# Altium PCB PDB_PCB.PcbDoc (part 1 of 3) (continued)
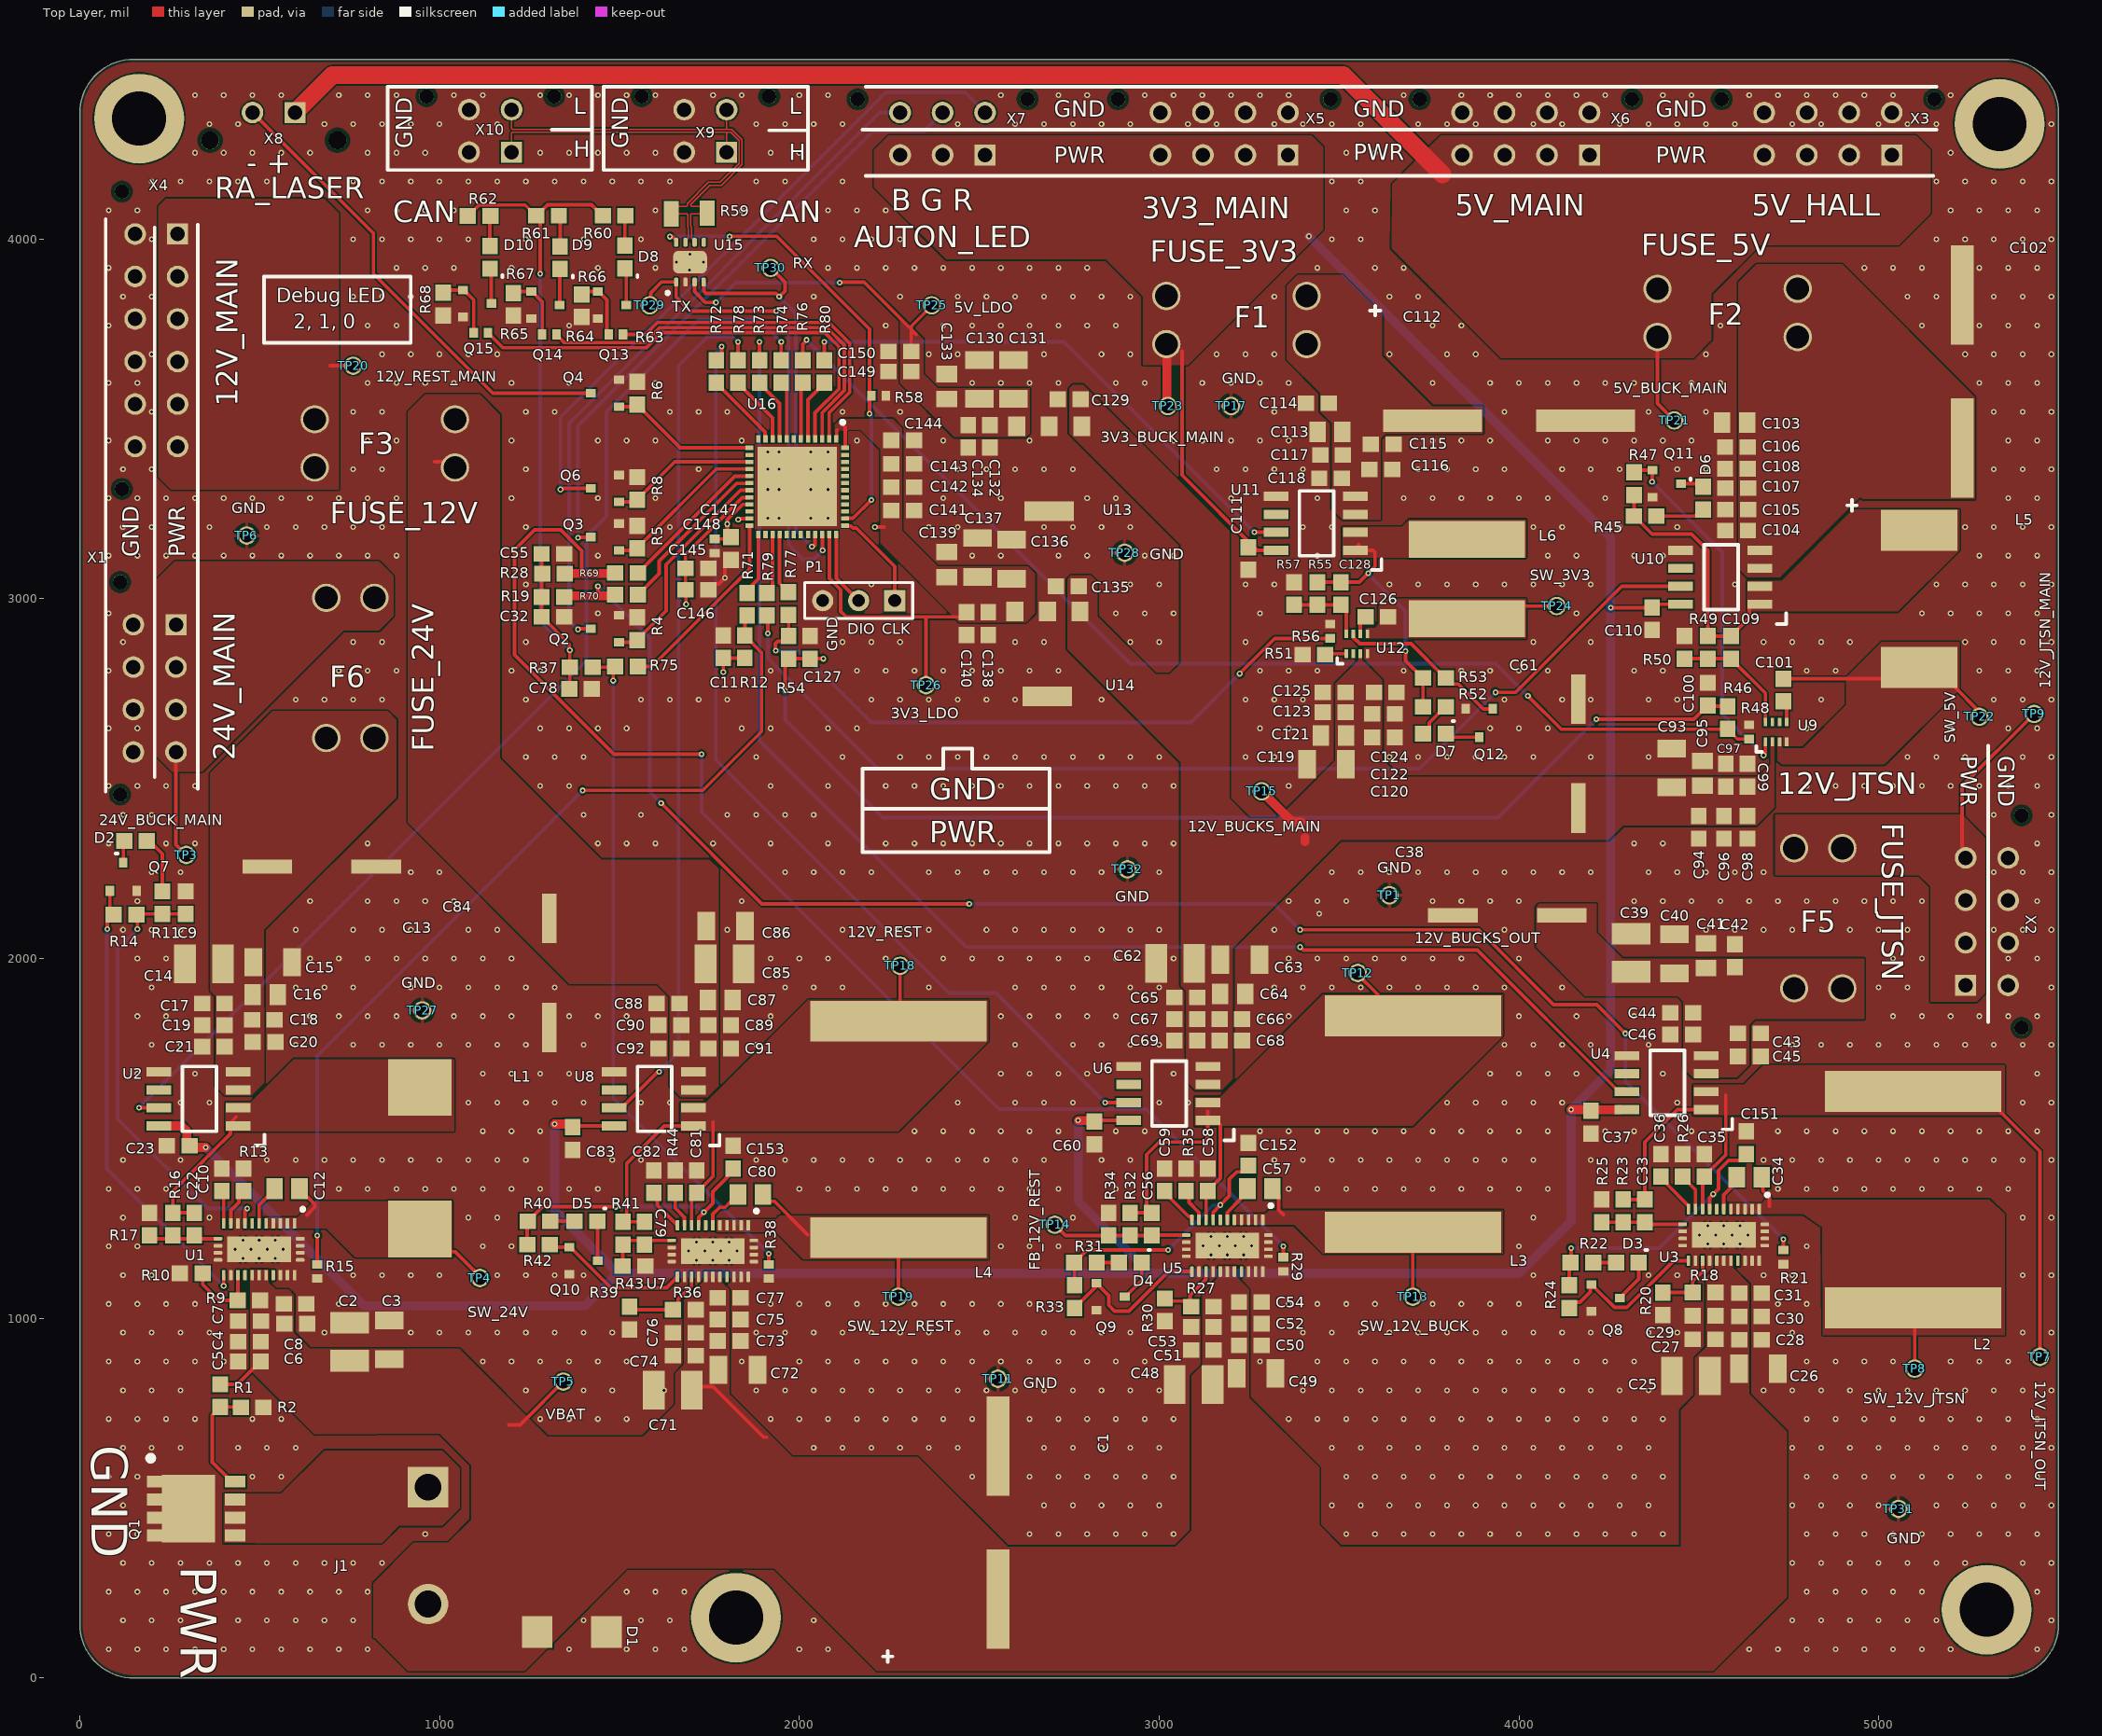
[diagram p0: Top Layer view]
## Design rules (kind name [scope] priority, off if disabled: settings)
BoardOutlineClearance [All] p1: gap=7.87 ignorepadtopadclearanceinfootprint=FALSE
Clearance [All] p1: gap=4 ignorepadtopadclearanceinfootprint=FALSE except(5: Arc-Via Track-Via SMDPad-Via THPad-Via Via-Via Via-Fill Via-Poly Via-Region Via-Text; 9.84: Arc-Hole Track-Hole SMDPad-Hole THPad-Hole Via-Hole Fill-Hole Poly-Hole Region-Hole Text-Hole)
ComponentClearance [All] p1: gap=4 collisioncheckmode=3 verticalgap=4 showdistances=TRUE
DiffPairsRouting [All] p1: maxlimit=5 minlimit=5 mostfreqgap=5 toplayer_minwidth=3.45 toplayer_maxwidth=3.45 toplayer_prefwidth=3.45 midlayer1_minwidth=0.95 midlayer1_maxwidth=0.95 midlayer1_prefwidth=0.95 midlayer2_minwidth=0.95 midlayer2_maxwidth=0.95 midlayer2_prefwidth=0.95 bottomlayer_minwidth=3.45 bottomlayer_maxwidth=3.45 bottomlayer_prefwidth=3.45 impedanceprofiledriven=TRUE impedanceprofileid={DF655B26-54CE-41C6-9DE7-33EEE7A1C614} impedanceprofilevalue=120.000000 maxuncoupledlength=500
Height [All] p1: minheight=0 maxheight=71497.94 prefheight=500
HoleSize [All] p1: absolutevalues=TRUE maxlimit=248.03 minlimit=7.87 maxpercent=80.000 minpercent=20.000
HoleToHoleClearance [All] p1: gap=9.84 allowstackedmicrovias=FALSE
MinimumAnnularRing [All] p1: minimumring=1
MinimumSolderMaskSliver [All] p1: minsoldermaskwidth=0
PlaneClearance [All] p1: clearance=4
PlaneConnect PlaneConnectPowerPads [InPadClass('PowerPads')] p1: planeconnectstyle=Direct reliefexpansion=20 reliefentries=4 reliefconductorwidth=10 reliefairgap=10
PlaneConnect [All] p2: pad.planeconnectstyle=Relief pad.reliefexpansion=11.81 pad.reliefentries=4 pad.reliefconductorwidth=4 pad.reliefairgap=4 via.planeconnectstyle=Direct via.reliefexpansion=11.81 via.reliefentries=4 via.reliefconductorwidth=5 via.reliefairgap=5
PolygonConnect PolygonConnectPowerPads [All vs (InPadClass('PowerPads'))] p1: connectstyle=Direct reliefconductorwidth=10 reliefentries=4 polygonreliefangle="90 Angle" airgapwidth=10
PolygonConnect [All] p2: connectstyle=Direct reliefconductorwidth=4 reliefentries=4 polygonreliefangle="90 Angle" airgapwidth=4
RoutingVias [All] p1: holewidth=7.87 width=17.72 viastyle="Through Hole" minholewidth=7.87 minwidth=17.72 maxholewidth=248.03 maxwidth=257.87
SilkToSilkClearance [All] p1: silktosilkclearance=0
SilkToSolderMaskClearance [IsPad] p1: minsilkscreentomaskgap=4 clearancetoexposedcopper=TRUE
SolderMaskExpansion [All] p1: expansion=2.95 istentingtop=FALSE
Width [All] p1: maxlimit=71497.94 minlimit=4 preferedwidth=4
20 further rules are at their usual default settings.

## Classes and differential pairs
component class Connectors: D1 J1 Q1 Q2 Q3 Q4 Q6 R1 R2 R4 R5 R6 R8 X1 X2 X3 X4 X5 X6 X7 X8
component class can-stm32g4: C141 C142 C143 C144 C145 C146 C147 C148 C149 C150 D8 D9 D10 P1 P? Q13 Q14 Q15 R58 R59 R60 R61 R62 R63 R64 R65 R66 R67 R68 R69 R70 R71 R72 R73 R74 R75 R76 R77 R78 R79 R80 TP29 TP30 TP31 TP32 U15 U16 X9 X10
component class 24V_Main: C1 C2 C3 C4 C5 C6 C7 C8 C9 C10 C11 C12 C13 C14 C15 C16 C17 C18 C19 C20 C21 C22 C23 D2 F6 L1 Q7 R9 R10 R11 R12 R13 R14 R15 R16 R17 TP1 TP3 TP4 U1 U2
component class 12V_Rest: C71 C72 C73 C74 C75 C76 C77 C78 C79 C80 C81 C82 C83 C84 C85 C86 C87 C88 C89 C90 C91 C92 C153 D5 F3 L4 Q10 R36 R37 R38 R39 R40 R41 R42 R43 R44 TP17 TP18 TP19 TP20 U7 U8
component class 12V_Jetson: C25 C26 C27 C28 C29 C30 C31 C32 C33 C34 C35 C36 C37 C38 C39 C40 C41 C42 C43 C44 C45 C46 C151 D3 F5 L2 Q8 R18 R19 R20 R21 R22 R23 R24 R25 R26 TP5 TP6 TP7 TP8 TP9 U3 U4
component class 12V_For_Bucks: C48 C49 C50 C51 C52 C53 C54 C55 C56 C57 C58 C59 C60 C61 C62 C63 C64 C65 C66 C67 C68 C69 C152 D4 L3 Q9 R27 R28 R29 R30 R31 R32 R33 R34 R35 TP11 TP12 TP13 TP14 TP15 U5 U6
component class 5V_Main: C93 C94 C95 C96 C97 C98 C99 C100 C101 C102 C103 C104 C105 C106 C107 C108 C109 C110 D6 F2 L5 Q11 R45 R46 R47 R48 R49 R50 TP21 TP22 U9 U10
component class 5V-and-3V3-ldo: C129 C130 C131 C132 C133 C134 C135 C136 C137 C138 C139 C140 TP25 TP26 TP27 TP28 U13 U14
component class 3v3_Main: C111 C112 C113 C114 C115 C116 C117 C118 C119 C120 C121 C122 C123 C124 C125 C126 C127 C128 D7 F1 L6 Q12 R51 R52 R53 R54 R55 R56 R57 TP23 TP24 U11 U12
differential pair CAN: +CAN_P -CAN_N

## Components (designator, comment, footprint, x,y, rotation, side; value= is the part's Value field where it differs from the comment)
C1 "100SEV100M12.5X16" ELEC-100U-0001 2552,432 r180 top
C2 "C3225X7R1N106K250AC" CAP-1210 750,935 r90 top
C3 "CL31B105KCHNNNE" "CAP-1206 - duplicate" 860,935 r90 top
C4 "CC0603KRX7R0BB104" CAP-0603 471.5,935 r180 top
C5 "C1608C0G2A103J080AC" CAP-0603 471.5,880 r180 top
C6 "C0603Y102K1RAC7867" CAP-0603 600,985 r0 top
C7 "0603N101J101CT" CAP-0603 472,992 r180 top
C8 "0603N100J500CT" CAP-0603 598.5,1040 r0 top
C9 "UMK107BBJ225KA-T" CAP-0603 294.19,2155.47 r90 top
C10 "CC0603KRX7R9BB333" CAP-0603 395,1385 r90 top
C11 "CC0603KRX7R0BB104" CAP-0603 1788.47,2866.81 r90 top
C12 "KAM21KR72A474KL" CAP-0805 576,1360 r180 top
C13 "50TZV220M10X10.5" ELEC-220U-0003 672.43,2256 r270 top
C14 "C3225X7R1N106K250AC" CAP-1210 345,1985 r180 top
C15 "CL31B105KCHNNNE" "CAP-1206 - duplicate" 530.87,1990 r0 top
C16 "KAM21KR72A474KL" CAP-0805 515.35,1900 r0 top
C17 "CC0603KRX7R0BB104" CAP-0603 371.5,1875 r180 top
C18 "C1608C0G2A103J080AC" CAP-0603 510.35,1830 r0 top
C19 "C0603Y102K1RAC7867" CAP-0603 371.5,1815 r180 top
C20 "0603N101J101CT" CAP-0603 512,1768 r0 top
C21 "0603N100J500CT" CAP-0603 371.5,1755 r180 top
C22 "885012006087" CAP-0603 318.47,1261.81 r270 top
C23 "CC0603KRX7R0BB104" CAP-0603 273.5,1480 r180 top
C25 "C3225X7R1N106K250AC" CAP-1210 4477.8,840 r180 top
C26 "CL31B105KCHNNNE" "CAP-1206 - duplicate" 4660.87,860 r0 top
C27 "CC0603KRX7R0BB104" CAP-0603 4514.47,941.81 r180 top
C28 "C1608C0G2A103J080AC" CAP-0603 4643.5,940 r0 top
C29 "C0603Y102K1RAC7867" CAP-0603 4514.47,1006.81 r180 top
C30 "0603N101J101CT" CAP-0603 4643.5,1005 r0 top
C31 "0603N100J500CT" CAP-0603 4643.5,1070 r0 top
C32 "CC0603KRX7R0BB104" CAP-0603 1315,2950 r0 top
C33 "885012006087" CAP-0603 4350,1298.5 r270 top
C34 "KAM21KR72A474KL" CAP-0805 4640,1392 r180 top
C35 "UMK107AB7105KA-T" CAP-0603 4515,1425 r90 top
C36 "CC0603KRX7R9BB333" CAP-0603 4395,1425 r90 top
C37 "CC0603KRX7R0BB104" CAP-0603 4200,1545 r270 top
C38 "50TZV220M10X10.5" ELEC-220U-0003 3968,2120 r90 top
C39 "C3225X7R1N106K250AC" CAP-1210 4312,2016 r90 top
C40 "CL31B105KCHNNNE" "CAP-1206 - duplicate" 4432,2008 r90 top
C41 "KAM21KR72A474KL" CAP-0805 4520,2008 r90 top
C42 "CC0603KRX7R0BB104" CAP-0603 4600,2008 r90 top
C43 "C1608C0G2A103J080AC" CAP-0603 4640.5,1792 r0 top
C44 "C0603Y102K1RAC7867" CAP-0603 4452.47,1848.81 r180 top
C45 "0603N101J101CT" CAP-0603 4640.5,1728 r0 top
C46 "0603N100J500CT" CAP-0603 4452.47,1788.81 r180 top
C48 "C3225X7R1N106K250AC" CAP-1210 3096,816 r180 top
C49 "CL31B105KCHNNNE" "CAP-1206 - duplicate" 3264.47,846.81 r0 top
C50 "CC0603KRX7R0BB104" CAP-0603 3253.5,925 r0 top
C51 "C1608C0G2A103J080AC" CAP-0603 3120,912 r180 top
C52 "C0603Y102K1RAC7867" CAP-0603 3253.5,985 r0 top
C53 "0603N101J101CT" CAP-0603 3120,976 r180 top
C54 "0603N100J500CT" CAP-0603 3253.5,1045 r0 top
C55 "CC0603KRX7R0BB104" CAP-0603 1315,3125 r0 top
C56 "885012006087" CAP-0603 2979.47,1261.81 r270 top
C57 "KAM21KR72A474KL" CAP-0805 3280,1360 r180 top
C58 "UMK107AB7105KA-T" CAP-0603 3135,1385 r90 top
C59 "CC0603KRX7R9BB333" CAP-0603 3015,1385 r90 top
C60 "CC0603KRX7R0BB104" CAP-0603 2820,1515 r270 top
C61 "50TZV220M10X10.5" ELEC-220U-0003 4165,2570 r0 top
C62 "C3225X7R1N106K250AC" CAP-1210 3044.47,1986.81 r180 top
C63 "CL31B105KCHNNNE" "CAP-1206 - duplicate" 3219.47,1996.81 r0 top
C64 "KAM21KR72A474KL" CAP-0805 3204.47,1901.81 r0 top
C65 "CC0603KRX7R0BB104" CAP-0603 3074.47,1891.81 r180 top
C66 "C1608C0G2A103J080AC" CAP-0603 3199.47,1831.81 r0 top
C67 "C0603Y102K1RAC7867" CAP-0603 3074.47,1831.81 r180 top
C68 "0603N101J101CT" CAP-0603 3199.47,1771.81 r0 top
C69 "0603N100J500CT" CAP-0603 3074.47,1771.81 r180 top
C71 "C3225X7R1N106K250AC" CAP-1210 1648,800 r180 top
C72 "CL31B105KCHNNNE" "CAP-1206 - duplicate" 1824.47,856.81 r0 top
C73 "CC0603KRX7R0BB104" CAP-0603 1804.47,936.81 r0 top
C74 "C1608C0G2A103J080AC" CAP-0603 1680,896 r180 top
C75 "C0603Y102K1RAC7867" CAP-0603 1804.47,996.81 r0 top
C76 "0603N101J101CT" CAP-0603 1680,960 r180 top
C77 "0603N100J500CT" CAP-0603 1804.47,1056.81 r0 top
C78 "CC0603KRX7R0BB104" CAP-0603 1391.69,2749.47 r0 top
C79 "885012006087" CAP-0603 1569.47,1236.81 r270 top
C80 "KAM21KR72A474KL" CAP-0805 1864,1344 r180 top
C81 "UMK107AB7105KA-T" CAP-0603 1715,1380 r90 top
C82 "CC0603KRX7R9BB333" CAP-0603 1595,1380 r90 top
C83 "CC0603KRX7R0BB104" CAP-0603 1370,1500 r270 top
C84 "50TZV220M10X10.5" ELEC-220U-0003 1305,1960 r180 top
C85 "C3225X7R1N106K250AC" CAP-1210 1792.2,1985 r0 top
C86 "CL31B105KCHNNNE" "CAP-1206 - duplicate" 1790,2090 r0 top
C87 "KAM21KR72A474KL" CAP-0805 1780.35,1885 r0 top
C88 "CC0603KRX7R0BB104" CAP-0603 1635,1875 r180 top
C89 "C1608C0G2A103J080AC" CAP-0603 1778.5,1815 r0 top
C90 "C0603Y102K1RAC7867" CAP-0603 1640,1815 r180 top
C91 "0603N101J101CT" CAP-0603 1778.5,1750 r0 top
C92 "0603N100J500CT" CAP-0603 1640,1750 r180 top
C93 "CL31B106KBHNNNE" CAP-1206 4425,2530 r90 top
C94 "UMK107AB7105KA-T" CAP-0603 4500,2365 r270 top
C95 "KAM21KR72A474KL" CAP-0805 4510,2515 r90 top
C96 "C1608C0G2A103J080AC" CAP-0603 4570,2365 r270 top
C97 "CC0603KRX7R0BB104" CAP-0603 4575,2510 r90 top
C98 "C0603Y102K1RAC7867" CAP-0603 4635,2365 r270 top
C99 "0603N101J101CT" CAP-0603 4635,2510 r90 top
C100 "CC0603KRX7R0BB104" CAP-0603 4525,2735 r90 top
C101 "CC0603KRX7R0BB104" CAP-0603 4735,2746.5 r90 top
C102 "100SEV100M12.5X16" ELEC-100U-0001 5232,3632 r180 top
C103 "KAM21KR72A474KL" CAP-0805 4599.65,3490 r180 top
C104 "C0603Y102K1RAC7867" CAP-0603 4605,3190 r180 top
C105 "C1608C0G2A103J080AC" CAP-0603 4605.53,3248.19 r180 top
C106 "CC0603KRX7R0BB104" CAP-0603 4604.47,3421.81 r180 top
C107 "0603N101J101CT" CAP-0603 4605.53,3308.19 r180 top
C108 "7447798111" CAP-0603 4604.47,3361.81 r180 top
C109 "7447798111" CAP-0603 4590,2865 r90 top
C110 "CC0603KRX7R0BB104" CAP-0603 4370,2945 r270 top
C111 "CC0603KRX7R0BB104" CAP-0603 3248,3112 r90 top
C112 "100SEV100M12.5X16" ELEC-100U-0001 3972.6,3495 r90 top
C113 "KAM21KR72A474KL" CAP-0805 3474.65,3464 r180 top
C114 "C0603Y102K1RAC7867" CAP-0603 3440,3544 r180 top
C115 "C1608C0G2A103J080AC" CAP-0603 3620,3430 r0 top
C116 "CC0603KRX7R0BB104" CAP-0603 3616,3360 r0 top
C117 "0603N101J101CT" CAP-0603 3479.5,3400 r180 top
C118 "7447798111" CAP-0603 3476.5,3335 r180 top
C119 "CL31B106KBHNNNE" CAP-1206 3465,2540 r180 top
C120 "UMK107AB7105KA-T" CAP-0603 3623.5,2615 r0 top
C121 "KAM21KR72A474KL" CAP-0805 3484.65,2620 r180 top
C122 "C1608C0G2A103J080AC" CAP-0603 3623.5,2680 r0 top
C123 "CC0603KRX7R0BB104" CAP-0603 3486.5,2685 r180 top
C124 "C0603Y102K1RAC7867" CAP-0603 3628.5,2740 r0 top
C125 "0603N101J101CT" CAP-0603 3486.5,2740 r180 top
C126 "CC0603KRX7R0BB104" CAP-0603 3605,2950 r0 top
C127 "CC0603KRX7R0BB104" CAP-0603 2030,2865 r90 top
C128 "7447798111" CAP-0603 3505,3015 r270 top
C129 "CGA3E3X7R1H334K080AB" CAP-0603 2750,3555 r180 top
C130 "CL31B106KBHNNNE" CAP-1206 2500,3610 r90 top
C131 "CL31B106KBHNNNE" CAP-1206 2595,3610 r90 top
C132 "UMK107AB7105KA-T" CAP-0603 2529.47,3451.81 r270 top
C133 "KAM21KR72A474KL" CAP-0805 2410,3590.35 r270 top
C134 "CC0603KRX7R0BB104" CAP-0603 2469.47,3451.81 r270 top
C135 "CGA3E3X7R1H334K080AB" CAP-0603 2745,3035 r180 top
C136 "CL31B106KBHNNNE" CAP-1206 2590,3110 r90 top
C137 "CL31B106KBHNNNE" CAP-1206 2495,3115 r90 top
C138 "UMK107AB7105KA-T" CAP-0603 2525,2931.5 r270 top
C139 "KAM21KR72A474KL" CAP-0805 2410,3095.35 r270 top
C140 "CC0603KRX7R0BB104" CAP-0603 2465,2931.5 r270 top
C141 "TMK107BBJ475KA-T" CAP-0603 2286.81,3245.53 r0 top
C142 "CC0603KRX7R0BB104" CAP-0603 2286.81,3310.53 r0 top
C143 "CC0603KRX7R0BB104" CAP-0603 2286.81,3375.53 r0 top
C144 "CC0603KRX7R0BB104" CAP-0603 2286.81,3440.53 r0 top
C145 "UMK107AB7105KA-T" CAP-0603 1715,3085 r0 top
C146 "CC0603KRX7R0BB104" CAP-0603 1715,3025 r0 top
C147 "UMK107AB7105KA-T" CAP-0603 1810,3140 r270 top
C148 "CC0402KRX7R0BB103" CAP-0402 1764.47,3146.81 r270 top
C149 "TMK107BBJ475KA-T" CAP-0603 2279.5,3632 r180 top
C150 "CC0603KRX7R0BB104" CAP-0603 2279.5,3688 r180 top
C151 "UMK107BBJ225KA-T" CAP-0603 4632,1488 r90 top
C152 "UMK107BBJ225KA-T" CAP-0603 3248,1456 r90 top
C153 "UMK107BBJ225KA-T" CAP-0603 1816,1448 r90 top
D1 "SMBJE43CAH" "DO-214AA (SMBJ)" 1366.2,128 r0 top
D2 "150060AS75000" LED-0603 155,2327 r180 top
D3 "150060AS75000" LED-0603 4301.5,1155 r0 top
D4 "150060AS75000" LED-0603 2920,1155 r0 top
D5 "150060AS75000" LED-0603 1406.5,1270 r0 top
D6 "150060AS75000" LED-0603 4512,3280 r90 top
D7 "150060AS75000" LED-0603 3765,2625 r0 top
D8 "150060AS75000" LED-0603 1515,3950 r270 top
D9 "150060AS75000" LED-0603 1335,3948.5 r270 top
D10 "150060AS75000" LED-0603 1140,3949.36 r270 top
F1 "3568" FUSE-ATM-0001 3215,3775 r180 top
F2 "3568" FUSE-ATM-0001 4580,3795 r180 top
F3 "3568" FUSE-ATM-0001 848,3432 r180 top
F5 "3568" FUSE-ATM-0001 4832,2112 r90 top
F6 "3568" FUSE-ATM-0001 752,2808 r90 top
J1 "1546927-2" CONN-1546927-2 968,368 r0 top
L1 "SRP1270-100M" PWRIND-10U-0002 945,1445 r90 top
L2 "IHLP6767GZER8R2M01" PWRIND-8.2U-0002 5095,1330 r90 top
L3 "IHLP6767GZER8R2M01" PWRIND-8.2U-0002 3705,1540 r90 top
L4 "IHLP6767GZER8R2M01" PWRIND-8.2U-0002 2275,1525 r90 top
L5 "SRR1240-3R3Y" PWRIND-3.3U-0003 5112,3000 r90 top
L6 "SRN8040-1R0Y" PWRIND-6.8U-0001 3855,3055 r90 top
P1 "Header 3" HDR1X3 2265,2995 r180 top
Q1 "TPH7R006PL,L1Q" NMOS-8PowerVDFN 212,546 r270 top
Q2 "T2N7002AK,LM" NMOS-SOT23-3 1459.47,2916.81 r90 top
Q3 "T2N7002AK,LM" NMOS-SOT23-3 1459.47,3171.81 r90 top
Q4 "T2N7002AK,LM" NMOS-SOT23-3 1459.47,3571.81 r90 top
Q6 "T2N7002AK,LM" NMOS-SOT23-3 1459.47,3306.81 r90 top
Q7 "T2N7002AK,LM" NMOS-SOT23-3 121,2227.63 r0 top
Q8 "T2N7002AK,LM" NMOS-SOT23-3 4240.97,1056.81 r270 top
Q9 "T2N7002AK,LM" NMOS-SOT23-3 2865,1060 r270 top
Q10 "T2N7002AK,LM" NMOS-SOT23-3 1400,1160 r270 top
Q11 "T2N7002AK,LM" NMOS-SOT23-3 4410.63,3320 r270 top
Q12 "T2N7002AK,LM" NMOS-SOT23-3 3890,2655 r180 top
Q13 "T2N7002AK,LM" NMOS-SOT23-3 1479.47,3816.81 r270 top
Q14 "T2N7002AK,LM" NMOS-SOT23-3 1294.47,3816.81 r270 top
Q15 "T2N7002AK,LM" NMOS-SOT23-3 1104.47,3821.17 r270 top
R1 "ERJ-3EKF2003V" RES-0603 390,785 r270 top
R2 "RC0603FR-07100KL" RES-0603 479.02,752.48 r180 top
R4 "RMCF0603ZT0R00" RES-0603 1549.47,2916.81 r270 top
R5 "RMCF0603ZT0R00" RES-0603 1549.47,3171.81 r270 top
R6 "RMCF0603ZT0R00" RES-0603 1549.47,3571.81 r270 top
R8 "RMCF0603ZT0R00" RES-0603 1549.47,3306.81 r270 top
R9 "RC0603FR-072M15L" RES-0603 470,1050 r0 top
R10 "RC0603FR-07100KL" RES-0603 310,1125 r180 top
R11 "AC0603FR-10100RL" RES-0603 229.19,2155.47 r90 top
R12 "RC0603FR-0710KP" RES-0603 1848.47,2866.81 r90 top
R13 "RC0603FR-0776K8L" RES-0603 455,1385 r90 top
R14 "RC0603FR-0710KP" RES-0603 126,2122 r0 top
R15 "TMP6431DECR" RES-0402 660,1130.32 r90 top
R16 "RC0603FR-07100KL" RES-0603 258.47,1261.81 r270 top
R17 "RC0603FR-074K32L" RES-0603 193.47,1261.81 r90 top
R18 "RC0603FR-072M15L" RES-0603 4514.47,1071.81 r0 top
R19 "RC0603FR-0710KP" RES-0603 1315,3005 r0 top
R20 "RC0603FR-07100KL" RES-0603 4400,1040 r270 top
R21 "TMP6431DECR" RES-0402 4735,1170 r90 top
R22 "AC0603FR-10100RL" RES-0603 4175,1155 r0 top
R23 "RC0603FR-07100KL" RES-0603 4290,1298.5 r270 top
R24 "RC0603FR-0710KP" RES-0603 4140,1060 r90 top
R25 "RC0603FR-079K09L" RES-0603 4230,1298.5 r90 top
R26 "RC0603FR-0776K8L" RES-0603 4455,1425 r90 top
R27 "RC0603FR-072M15L" RES-0603 3120,1032 r0 top
R28 "RC0603FR-0710KP" RES-0603 1316.5,3070 r0 top
R29 "TMP6431DECR" RES-0402 3345,1150 r90 top
R30 "RC0603FR-07100KL" RES-0603 3016,1023.5 r270 top
R31 "AC0603FR-10100RL" RES-0603 2795,1155 r0 top
R32 "RC0603FR-07100KL" RES-0603 2919.47,1261.81 r270 top
R33 "RC0603FR-0710KP" RES-0603 2765,1060 r90 top
R34 "RC0603FR-079K09L" RES-0603 2859.47,1261.81 r90 top
R35 "RC0603FR-0776K8L" RES-0603 3075,1385 r90 top
R36 "RC0603FR-072M15L" RES-0603 1680,1024 r0 top
R37 "RC0603FR-0710KP" RES-0603 1393.5,2810 r0 top
R38 "TMP6431DECR" RES-0402 1915,1130 r90 top
R39 "RC0603FR-07100KL" RES-0603 1528,1000.5 r270 top
R40 "AC0603FR-10100RL" RES-0603 1276.5,1270 r0 top
R41 "RC0603FR-07100KL" RES-0603 1509.47,1236.81 r270 top
R42 "RC0603FR-0710KP" RES-0603 1275,1205 r180 top
R43 "RC0603FR-079K09L" RES-0603 1540,1145 r0 top
R44 "RC0603FR-0776K8L" RES-0603 1655,1380 r90 top
R45 "CRGCQ0603J220R" RES-0603 4350.63,3230 r0 top
R46 "RC0603FR-0710KP" RES-0603 4580,2670 r270 top
R47 "RC0603FR-0710KP" RES-0603 4320,3320 r270 top
R48 "TMP6431DECR" RES-0402 4640,2630 r270 top
R49 "RC0603FR-0773K2L" RES-0603 4525,2865 r270 top
R50 "RC0603FR-0710KP" RES-0603 4460,2865 r90 top
R51 "RC0603FR-079K09L" RES-0603 3430,2845 r180 top
R52 "AC0603FR-10100RL" RES-0603 3765,2700 r0 top
R53 "AF0603FR-074K7L" RES-0603 3765,2780 r0 top
R54 "RC0603FR-0710KP" RES-0603 1970,2865 r90 top
R55 "RC0603FR-0730K9L" RES-0603 3440,3015 r270 top
R56 "TMP6431DECR" RES-0402 3475,2910 r270 top
R57 "RC0603FR-0710KP" RES-0603 3375,3015 r90 top
R58 "RC0402FR-074K7P" RES-0402 2220.32,3565 r180 top
R59 "CRGH1206F120R" RES-1206 1693.8,4072 r180 top
R60 "AC0603FR-10100RL" RES-0603 1485,4065 r0 top
R61 "AC0603FR-10100RL" RES-0603 1300,4065 r0 top
R62 "AC0603FR-10100RL" RES-0603 1110,4064.36 r0 top
R63 "ERJ2RKF33R0X" RES-0402 1490,3735 r180 top
R64 "ERJ2RKF33R0X" RES-0402 1305,3735 r180 top
R65 "ERJ2RKF33R0X" RES-0402 1114.68,3739.36 r180 top
R66 "RC0603FR-0710KP" RES-0603 1395,3815 r270 top
R67 "RC0603FR-0710KP" RES-0603 1205,3818.5 r270 top
R68 "RC0603FR-0710KP" RES-0603 1010,3819.36 r270 top
R69 "RMCF0603ZT0R00" RES-0603 1519.47,3071.81 r180 top
R70 "RMCF0603ZT0R00" RES-0603 1519.47,3011.81 r180 top
R71 "RMCF0603ZT0R00" RES-0603 1855,2985 r270 top
R72 "RMCF0603ZT0R00" RES-0603 1769.47,3631.81 r270 top
R73 "RMCF0603ZT0R00" RES-0603 1889.47,3631.81 r270 top
R74 "RMCF0603ZT0R00" RES-0603 1949.47,3631.81 r270 top
R75 "RMCF0603ZT0R00" RES-0603 1519.47,2811.81 r180 top
R76 "RMCF0603ZT0R00" RES-0603 2009.47,3631.81 r90 top
R77 "RMCF0603ZT0R00" RES-0603 1969.47,2986.81 r270 top
R78 "RMCF0603ZT0R00" RES-0603 1829.47,3631.81 r90 top
R79 "RMCF0603ZT0R00" RES-0603 1910,2985 r270 top
R80 "RMCF0603ZT0R00" RES-0603 2069.47,3631.81 r90 top
TP1 "5003" TEST-POINT-0001 3640,2176 r180 top
TP3 "5003" TEST-POINT-0001 296,2288 r90 top
TP4 "5003" TEST-POINT-0001 1112,1112 r90 top
TP5 "5003" TEST-POINT-0001 1344,824 r90 top
TP6 "5003" TEST-POINT-0001 464,3176 r90 top
TP7 "5003" TEST-POINT-0001 5448,892.95 r90 top
TP8 "5003" TEST-POINT-0001 5100,860 r90 top
TP9 "5003" TEST-POINT-0001 5432,2680 r0 top
TP11 "5003" TEST-POINT-0001 2552,832 r180 top
TP12 "5003" TEST-POINT-0001 3552,1960 r180 top
TP13 "5003" TEST-POINT-0001 3705,1060 r180 top
TP14 "5003" TEST-POINT-0001 2710,1260 r180 top
TP15 "5003" TEST-POINT-0001 3285,2465 r180 top
TP17 "5003" TEST-POINT-0001 3200,3536 r180 top
TP18 "5003" TEST-POINT-0001 2280,1980 r180 top
TP19 "5003" TEST-POINT-0001 2275,1060 r180 top
TP20 "5003" TEST-POINT-0001 760,3648 r90 top
TP21 "5003" TEST-POINT-0001 4432,3496 r180 top
TP22 "5003" TEST-POINT-0001 5280,2672 r90 top
TP23 "5003" TEST-POINT-0001 3024,3536 r90 top
TP24 "5003" TEST-POINT-0001 4105,2980 r90 top
TP25 "5003" TEST-POINT-0001 2368,3816 r0 top
TP26 "5003" TEST-POINT-0001 2352,2760 r0 top
TP27 "5003" TEST-POINT-0001 952,1856 r0 top
TP28 "5003" TEST-POINT-0001 2904,3128 r0 top
TP29 "5003" TEST-POINT-0001 1584,3816 r0 top
TP30 "5003" TEST-POINT-0001 1920,3920 r0 top
TP31 "5003" TEST-POINT-0001 5055,470 r0 top
TP32 "5003" TEST-POINT-0001 2912,2248 r270 top
U1 "LM76005RNPR" IC-30-WQFN(6x4) 498.47,1191.81 r270 top
U2 "TMCS1108A4BQDR" IC-CURRENT-0001 330,1610 r90 top
U3 "LM76005RNPR" IC-30-WQFN(6x4) 4569.47,1231.81 r270 top
U4 "TMCS1108A4BQDR" IC-CURRENT-0001 4410,1655 r90 top
U5 "LM76005RNPR" IC-30-WQFN(6x4) 3189.47,1201.81 r270 top
U6 "TMCS1108A4BQDR" IC-CURRENT-0001 3025,1625 r90 top
U7 "LM76005RNPR" IC-30-WQFN(6x4) 1759.47,1186.81 r270 top
U8 "TMCS1108A4BQDR" IC-CURRENT-0001 1595,1610 r90 top
U9 "TPS563212DRLR" IC-SOT583 4715,2630 r0 top
U10 "TMCS1108A4BQDR" IC-CURRENT-0001 4559.76,3060 r90 top
U11 "TMCS1108A4BQDR" IC-CURRENT-0001 3435,3210 r90 top
U12 "TPS62933ODRLR" IC-SOT583 3550,2875 r0 top
U13 "UA78M05IDCYR" IC-SOT-223-4 2694.47,3361.81 r270 top
U14 "UA78M33CDCYR" IC-SOT-223-4 2689.47,2846.81 r270 top
U15 "TCAN1042HGDRBTQ1" IC-8-VSON 1696,3936 r90 top
U16 "STM32G431CBU6" MCU-UFQFPN48 1994.47,3311.81 r270 top
X1 "Molex 43045-0812" 43045-0812 267.12,2751.28 r90 top
X2 "Molex 43045-0812" 43045-0812 5241.89,2102.83 r270 top
X3 "Molex 43045-0812" 43045-0812 4859.06,4233.89 r0 top
X4 "Molex - Micro-Fit 3.0 Series connector,  3.00mm (0.118\") pitch header, 12 positions." 43045-1212 272,3718.83 r90 top
X5 "Molex 43045-0812" 43045-0812 3180.94,4233.89 r0 top
X6 "Molex 43045-0812" 43045-0812 4019.06,4233.89 r0 top
X7 "Molex 43045-0612" 43045-0612 2398.11,4233.89 r0 top
X8 "Molex 43650-0215" 43650-0215 539.06,4352 r0 top
X9 "Molex 43045-0412" 43045-0412 1739.06,4241.89 r0 top
X10 "Molex 43045-0412" 43045-0412 1140.94,4241.89 r0 top

## Footprints (in the part's own frame and the unit in brackets; to place one, negate y for a bottom-side part, rotate by r counter-clockwise, add the part's x,y. Pads: shape width x height; smd on the part's side, far side on the other; paste and mask are expansions set on the pad)
43045-0412 [mm]
  round 1.02 hole 1.02 unplated: 1(-4.5,3.94) 1(4.5,3.94)
  rect 1.482x1.482 / inner rect 1.524x1.524 / far side rect 1.482x1.482 hole 1.02: P$1(1.5,0)
  round 1.53 / inner round 1.524 / far side round 1.53 hole 1.02: P$2(-1.5,0) P$3(1.5,3) P$4(-1.5,3)
  body extent -5.07,-2.45 5.08,6.32, height 10.03
43045-0612 [mm]
  round 1.02 hole 1.02 unplated: 1(-6,3.94) 1(6,3.94)
  rect 1.482x1.482 / inner rect 1.524x1.524 / far side rect 1.482x1.482 hole 1.02: P$1(3,0)
  round 1.53 / inner round 1.524 / far side round 1.53 hole 1.02: P$2(0,0) P$3(-3,0) P$4(3,3) P$5(0,3) P$6(-3,3)
  body extent -6.57,-2.45 6.58,6.32, height 10.03
43045-0812 [mm]
  round 1.02 hole 1.02 unplated: 1(-7.5,3.94) 1(7.5,3.94)
  rect 1.482x1.482 / inner rect 1.524x1.524 / far side rect 1.482x1.482 hole 1.02: P$1(4.5,0)
  round 1.53 / inner round 1.524 / far side round 1.53 hole 1.02: P$2(1.5,0) P$3(-1.5,0) P$4(-4.5,0) P$5(4.5,3) P$6(1.5,3) P$7(-1.5,3) P$8(-4.5,3)
  body extent -8.07,-2.45 8.08,6.32, height 10.03
43045-1212 [mm]
  round 1.02 hole 1.02 unplated: 1(-10.5,3.94) 1(10.5,3.94)
  rect 1.482x1.482 / inner rect 1.524x1.524 / far side rect 1.482x1.482 hole 1.02: P$1(7.5,0)
  round 1.53 / inner round 1.524 / far side round 1.53 hole 1.02: P$2(4.5,0) P$3(1.5,0) P$4(-1.5,0) P$5(-4.5,0) P$6(-7.5,0) P$7(7.5,3) P$8(4.5,3) P$9(1.5,3) P$10(-1.5,3) P$11(-4.5,3) P$12(-7.5,3)
43650-0215 [mil]
  round 50 hole 50 unplated: 1(-177.17,-77.17) 1(177.17,-77.17)
  rect 58.33x58.33 / inner rect 60x60 / far side rect 58.33x58.33 hole 40.16: P$1(59.06,0)
  round 60.24 / inner round 60 / far side round 60.24 hole 40.16: P$2(-59.06,0)
  body extent -190,-97 190,123, height 395
CAP-0402 [mm]
  rect 0.6x0.7 smd: 1(-0.5,0) 2(0.5,0)
  body extent -0.5,-0.22 0.5,0.23, height 0.5
CAP-0603 [mm]
  rect 1.15x1.1 smd: 1(-0.8,0) 2(0.8,0)
  body extent -0.8,-0.45 0.8,0.45, height 0.8
CAP-0805 [mm]
  rect 1.16x1.47 smd: 1(-0.88,0) 2(0.88,0)
  body extent -1,-0.63 1,0.63, height 0.94
CAP-1206 [mm]
  rect 1.25x2 smd: 1(-1.375,0) 2(1.375,0)
  body extent -1.6,-0.8 1.6,0.8, height 1.5
"CAP-1206 - duplicate" [mm]
  rect 1.25x2 smd: 1(-1.248,0) 2(1.502,0)
  body extent -1.47,-0.8 1.73,0.8, height 1.5
CAP-1210 [mm]
  rect 1.53x2.72 smd: 1(-1.341,0) 2(1.341,0)
  body extent -1.6,-1.25 1.6,1.25, height 2.7
CONN-1546927-2 [mm]
  rect 2.85x2.85 hole 1.9: 1(0,4.127)
  round 2.85 hole 1.9: 2(0,-4.127)
  body extent -11.57,-8.85 4.49,8.85, height 14.99
"DO-214AA (SMBJ)" [mm]
  rect 2.16x2.26 smd: 1(-2.416,0) 2(2.484,0)
  body extent -2.72,-1.95 2.78,1.95, height 2.45
ELEC-100U-0001 [mm]
  rect 1.6x7 smd: 1(0,5.4) 2(0,-5.4)
  silkscreen extent 7.45,9.08 8.13,9.82, body extent -6.6,-7.15 6.6,7.15, height 16.56
ELEC-220U-0003 [mm]
  rect 1x3.5 smd: 1(0,-3.85) 2(0,3.85)
  body extent -5.25,-5.45 5.25,5.45, height 10.54
FUSE-ATM-0001 [mm]
  round 2 hole 1.6: 1(-4.95,-1.7) 1(-4.95,1.7) 2(4.95,-1.7) 2(4.95,1.7)
  body extent -8,-3.37 8,3.37, height 7.37
HDR1X3 [mm] "Connector; Header; 3 Position"
  rect 1.5x1.5 hole 0.9: 1(0,0)
  round 1.5 hole 0.9: 2(2.54,0) 3(5.08,0)
  silkscreen extent -1.27,-1.27 6.35,1.27
IC-8-VSON [mm]
  rrect50% 0.6x0.3 smd mask+0.07: 1(-1.4,0.975) 2(-1.4,0.325) 3(-1.4,-0.325) 4(-1.4,-0.975) 5(1.4,-0.975) 6(1.4,-0.325) 7(1.4,0.325) 8(1.4,0.975)
  rrect50% 1.6x2.4 smd: 9(0,0)
  silkscreen extent -2.27,1.48 -2.08,1.66, body extent -1.5,-1.5 1.5,1.5, height 1
IC-30-WQFN(6x4) [mm] "30 pin WQFN with exposed pad"
  rrect50% 0.75x0.25 smd mask+0.07: 1(-1.825,2.5) 2(-1.825,2) 3(-1.825,1.5) 4(-1.825,1) 5(-1.825,0.5) 6(-1.825,0) 7(-1.825,-0.5) 8(-1.825,-1) 9(-1.825,-1.5) 10(-1.825,-2) 11(-1.825,-2.5) 16(1.825,-2.5) 17(1.825,-2) 18(1.825,-1.5) 19(1.825,-1) 20(1.825,-0.5) 21(1.825,0) 22(1.825,0.5) 23(1.825,1) 24(1.825,1.5) 25(1.825,2) 26(1.825,2.5)
  rrect50% 0.25x0.6 smd mask+0.07: 12(-0.75,-2.9) 13(-0.25,-2.9) 14(0.25,-2.9) 15(0.75,-2.9) 27(0.75,2.9) 28(0.25,2.9) 29(-0.25,2.9) 30(-0.75,2.9)
  rect 1.8x4.5 smd: 31(0,0)
  silkscreen extent -2.94,2.96 -2.71,3.19, body extent -2,-3 2,3, height 0.8
IC-CURRENT-0001 [mm]
  rect 0.65x1.75 smd: 1(-1.905,-2.8) 2(-0.635,-2.8) 3(0.635,-2.8) 4(1.905,-2.8) 5(1.905,2.8) 6(0.635,2.8) 7(-0.635,2.8) 8(-1.905,2.8)
  silkscreen extent -3.3,-4.65 2.29,1.14, body extent -2.45,-3.04 2.45,2.99, height 1.63
IC-SOT583 [mm]
  rect 0.25x0.6 smd: 1(-0.762,-0.7) 2(-0.262,-0.7) 3(0.238,-0.7) 4(0.738,-0.7) 5(0.738,0.7) 6(0.238,0.7) 7(-0.262,0.7) 8(-0.762,0.7)
  silkscreen extent -1.4,-1.4 -1.02,-1.02, body extent -1.11,-0.85 1.11,0.85, height 0.56
IC-SOT-223-4 [mm]
  rect 1.4x1.2 smd mask+0.07: 1(-3,2.3) 2(-3,0) 3(-3,-2.3)
  rect 1.4x3.5 smd: 2(3,0)
  body extent -3.5,-3.25 3.5,3.25, height 1.68
LED-0603 [mm]
  rect 1.15x1.1 smd: 1(-0.8,0) 2(0.8,0)
  silkscreen extent 1.27,0.89 1.4,0.89, body extent -0.8,-0.3 0.8,0.3, height 1
MCU-UFQFPN48 [mm] "STM32G431CBU6"
  rect 0.55x0.3 smd mask+0.07: 1(-3.375,2.75) 2(-3.375,2.25) 3(-3.375,1.75) 4(-3.375,1.25) 5(-3.375,0.75) 6(-3.375,0.25) 7(-3.375,-0.25) 8(-3.375,-0.75) 9(-3.375,-1.25) 10(-3.375,-1.75) 11(-3.375,-2.25) 12(-3.375,-2.75) 25(3.375,-2.75) 26(3.375,-2.25) 27(3.375,-1.75) 28(3.375,-1.25) 29(3.375,-0.75) 30(3.375,-0.25) 31(3.375,0.25) 32(3.375,0.75) 33(3.375,1.25) 34(3.375,1.75) 35(3.375,2.25) 36(3.375,2.75)
  rect 0.3x0.55 smd mask+0.07: 13(-2.75,-3.375) 14(-2.25,-3.375) 15(-1.75,-3.375) 16(-1.25,-3.375) 17(-0.75,-3.375) 18(-0.25,-3.375) 19(0.25,-3.375) 20(0.75,-3.375) 21(1.25,-3.375) 22(1.75,-3.375) 23(2.25,-3.375) 24(2.75,-3.375) 37(2.75,3.375) 38(2.25,3.375) 39(1.75,3.375) 40(1.25,3.375) 41(0.75,3.375) 42(0.25,3.375) 43(-0.25,3.375) 44(-0.75,3.375) 45(-1.25,3.375) 46(-1.75,3.375) 47(-2.25,3.375) 48(-2.75,3.375)
  rect 5.6x5.6 smd: 49(0,0)
  silkscreen extent -4.67,3.08 -4.43,3.33, body extent -3.56,-3.56 3.56,3.56, height 0.61
NMOS-8PowerVDFN [mm]
  rect 0.85x1.45 smd: 1(0,5.588) 2(1.27,5.588) 2(2.54,5.588) 2(3.81,5.588)
  rect 0.85x1.05 smd: 3(0,-0.112) 3(1.27,-0.112) 3(2.54,-0.112) 3(3.81,-0.112)
  rect 4.8x3.75 smd: 3(1.905,2.286)
  silkscreen extent -1.91,-0.64 -1.4,-0.13
NMOS-SOT23-3 [mm]
  rect 0.6x0.7 smd: 1(-0.95,-1) 2(0.95,-1) 3(0,1)
  body extent -1.46,-1.18 1.46,1.19, height 1.12
PWRIND-3.3U-0003 [mm]
  rect 2.9x5.4 smd: 1(-4.85,0) 2(4.85,0)
  body extent -6.4,-6.4 6.4,6.4, height 4.5
PWRIND-6.8U-0001 [mm]
  rect 2.6x8.2 smd: 1(-2.8,0) 2(2.8,0)
  body extent -4,-4 4,4, height 4
PWRIND-8.2U-0002 [mm]
  rect 2.875x12.45 smd: 1(-7.642,0) 2(7.642,0)
  body extent -8.7,-8.71 8.47,8.46, height 6.89
PWRIND-10U-0002 [mm]
  rect 4x4.5 smd: 1(-5,0) 2(5,0)
  body extent -6.85,-6.45 6.85,6.45, height 7.06
RES-0402 [mm]
  rect 0.6x0.7 smd: 1(-0.5,0) 2(0.5,0)
  body extent -0.5,-0.25 0.5,0.25, height 0.3
RES-0603 [mm]
  rect 1.15x1.1 smd: 1(-0.8,0) 2(0.8,0)
  body extent -0.8,-0.4 0.8,0.4, height 0.43
RES-1206 [mm]
  rect 1.05x1.8 smd: 1(-1.275,0) 2(1.275,0.043)
  body extent -1.6,-0.77 1.6,0.82, height 0.55
TEST-POINT-0001 [mm] "2024 miniature test point"
  round 1.3 hole 1: 1(0,0)
  body extent -1.27,-1.27 1.27,1.27, height 4.57

## Part data
C1 C102 C112: library part ELEC-100U-0001, "100 µF 100 V Aluminum Electrolytic Capacitors Radial, Can - SMD 2000 Hrs @ 85°C", Capacitance="100 uF", Manufacturer=Rubycon, Tolerance="+/- 20%", Voltage="100 V", Assembled?=No, ESR="idk check the datasheet i couldnt find it"
C2 C14: library part CAP-10U-0004, "10 µF ±10% 75V Ceramic Capacitor X7R 1210 (3225 Metric)", Capacitance="10 uF +/- 10%", Voltage Rating=75V
C3 C15: library part CAP-1U-0001, "1 µF ±10% 100V Ceramic Capacitor X7R 1206 (3216 Metric)", Capacitance="1 uF +/- 10%", Voltage=100V
C4 C11 C17 C23 C32 C37 C55 C60 C78 C83 C97 C100 C106 C110 C111 C116 C123 C126 C127 C134 C140 C142 C143 C144 C146 C150: library part CAP-100N-0001, "CAP CER 0.1UF 100V X7R 0603", Capacitance="100nF +/-10%", Manufacturer=YAGEO, Package Size=0603, Temperature Coefficient=X7R, Voltage Rating=100V, Assembled?=no, Manufacturer Part Number=CC0603KRX7R0BB104
C5 C18 C96 C105 C115 C122: library part CAP-10N-0002, "CAP CER 10000PF 100V C0G 0603", Capacitance="10nF +/-5%", Manufacturer="TDK Corporation", Package Size=0603, Temperature Coefficient=C0G/NP0, Voltage Rating=100V, Assembled?=no, Manufacturer Part Number=C1608C0G2A103J080AC
C6 C19 C98 C104 C114 C124: library part CAP-1N-0001, "1000 pF ±10% 100V Ceramic Capacitor X7R 0603 (1608 Metric)", Capacitance="1 nF +/-10%", Voltage=100V
C7 C20 C30 C45 C53 C68 C76 C91 C99 C107 C117 C125: library part CAP-100P-0002, "100 pF ±5% 100V Ceramic Capacitor C0G, NP0 0603 (1608 Metric)", Capacitance="100 pF", Package Size=0603, Temp Coeff=C0G/NP0, Tolerance=+/-5%, Voltage=100V
C8 C21: library part CAP-10P-0001, "10 pF ±5% 50V Ceramic Capacitor C0G, NP0 0603 (1608 Metric)", Capacitance="10 pF +/- 5%", Manufacturer="Walshin Technology Corporation", Package Size=0603, Temperature Coefficient="C0G, NP0", Voltage Rating=50V, Assembled?=Yes, Manufacturer Part Number=0603N100J500CT
C9 C151 C152 C153: library part CAP-2.2U-0001, "2.2 µF ±10% 50V Ceramic Capacitor X5R 0603 (1608 Metric)", Capacitance="2.2 uF", oltage=50V
C10: library part CAP-33N-0001, "0.033 µF ±10% 50V Ceramic Capacitor X7R 0603 (1608 Metric)", Capacitance="33nF +/-10%", Manufacturer=YAGEO, Package Size=0603, Temperature Coefficient=X7R, Voltage Rating=50V, Assembled?=no, Manufacturer Part Number=CC0603KRX7R9BB333
C12 C16 C34 C41 C57 C64 C80 C87 C95 C103 C113 C121 C133 C139: library part CAP-0.47U-0001, "0.47 µF ±10% 100V Ceramic Capacitor X7R 0805 (2012 Metric)", Capacitance="0.47 uF", Package Size=0805, Temperature Coefficient=X7R, Tolerance="+/- 10%", Voltage=100V, Assembled?=No
C13: library part ELEC-220U-0003, "220 µF 50 V Aluminum Electrolytic Capacitors Radial, Can - SMD 2000 Hrs @ 105°C", Capacitance="220 uF +/- 20%", Voltage Rating=50V, Size=.406inx.406in*.413in
C22 C33 C56 C79: library part CAP-1P-0001, "1 pF ±0.25pF 100V Ceramic Capacitor C0G, NP0 0603 (1608 Metric)", Capacitance="1 pF", Package Size=0603, Temperature Coefficient=C0G/NP0, Tolerance="+/- 0.25 pF", Voltage=100V, Assembled?=No
C25 C39 C48 C62 C71 C85: library part CAP-10U-0004, "10 µF ±10% 75V Ceramic Capacitor X7R 1210 (3225 Metric)", Capacitance="10 uF", Voltage Rating=75V
C26 C40 C49 C63 C72 C86: library part CAP-1U-0001, "1 µF ±10% 100V Ceramic Capacitor X7R 1206 (3216 Metric)", Capacitance="1 uF", Voltage=100V
C27 C42 C50 C65 C73 C88: library part CAP-100N-0001, "CAP CER 0.1UF 100V X7R 0603", Capacitance=100nF, Manufacturer=YAGEO, Package Size=0603, Temperature Coefficient=X7R, Voltage Rating=100V, Assembled?=no, Manufacturer Part Number=CC0603KRX7R0BB104
C28 C43 C51 C66 C74 C89: library part CAP-10N-0002, "CAP CER 10000PF 100V C0G 0603", Capacitance=10nF, Manufacturer="TDK Corporation", Package Size=0603, Temperature Coefficient=C0G/NP0, Voltage Rating=100V, Assembled?=no, Manufacturer Part Number=C1608C0G2A103J080AC
C29 C44 C52 C67 C75 C90: library part CAP-1N-0001, "1000 pF ±10% 100V Ceramic Capacitor X7R 0603 (1608 Metric)", Capacitance="1 nF", Voltage=100V
C31 C46 C54 C69 C77 C92: library part CAP-10P-0001, "10 pF ±5% 50V Ceramic Capacitor C0G, NP0 0603 (1608 Metric)", Capacitance="10 pF", Manufacturer="Walshin Technology Corporation", Package Size=0603, Temperature Coefficient="C0G, NP0", Voltage Rating=50V, Assembled?=Yes, Manufacturer Part Number=0603N100J500CT
C35 C58 C81 C94 C120 C132 C138 C145 C147: library part CAP-1U-0002, "1 µF ±10% 50V Ceramic Capacitor X7R 0603 (1608 Metric)", Capacitance="1 uF", Package Size=0603, Voltage=50V
C36 C59 C82: library part CAP-33N-0001, "0.033 µF ±10% 50V Ceramic Capacitor X7R 0603 (1608 Metric)", Capacitance=33nF, Manufacturer=YAGEO, Package Size=0603, Temperature Coefficient=X7R, Voltage Rating=50V, Assembled?=no, Manufacturer Part Number=CC0603KRX7R9BB333
C38 C61 C84: library part ELEC-220U-0003, "220 µF 50 V Aluminum Electrolytic Capacitors Radial, Can - SMD 2000 Hrs @ 105°C", Capacitance="220 uF", Voltage Rating=50V, Size=.406inx.406in*.413in
C93 C119 C130 C131 C136 C137: library part CAP-10U-0001, "10 µF ±10% 50V Ceramic Capacitor X7R 1206 (3216 Metric)", Capacitance="10uF +/-20%", Manufacturer="Samsung Electro-Mechanics", Package Size=1206, Temperature Coefficient=X7R, Voltage Rating=50V, Assembled?=no, Manufacturer Part Number=CL31B106KBHNNNE
C101: library part CAP-100N-0002-JLC, "100V 100nF X7R ±10% 0603 Multilayer Ceramic Capacitors MLCC - SMD/SMT ROHS", Capacitance="100 nF +/- 10%", JLC part number=C113803, Voltage=100V, Assembled?=yes
C108 C109 C118 C128: library part CAP-47P-0001, "47 pF ±5% 100V Ceramic Capacitor C0G, NP0 0603 (1608 Metric)", Capacitance="47 pF +/- 5%", Voltage Rating=100V
C129 C135: library part CAP-0.33uF-0001, "0.33 µF ±10% 50V Ceramic Capacitor X7R 0603 (1608 Metric)", Capacitance="0.33 uF", Manufacturer="TDK Corporation", Temperature Coefficient=X7R, Tolerance="+/- 10%", Voltage=50V, Manufacturer Part Number=CGA3E3X7R1H334K080AB
C141 C149: library part CAP-4.7U-0001, "4.7 µF ±10% 25V Ceramic Capacitor X5R 0603 (1608 Metric)", Capacitance="4.7uF +/-10%", Manufacturer="Taiyo Yuden", Package Size=0603, Temperature Coefficient=X5R, Voltage Rating=25V, Assembled?=no, Manufacturer Part Number=TMK107BBJ475KA-T
C148: library part CAP-10N-0001, "10000 pF ±10% 100V Ceramic Capacitor X7R 0402 (1005 Metric)", Capacitance="10nF +/-10%", Manufacturer=YAGEO, Package Size=0402, Temperature Coefficient=X7R, Voltage Rating=100V, Assembled?=no, Manufacturer Part Number=CC0402KRX7R0BB103